# KiCad board LV Carrier Board.kicad_pcb
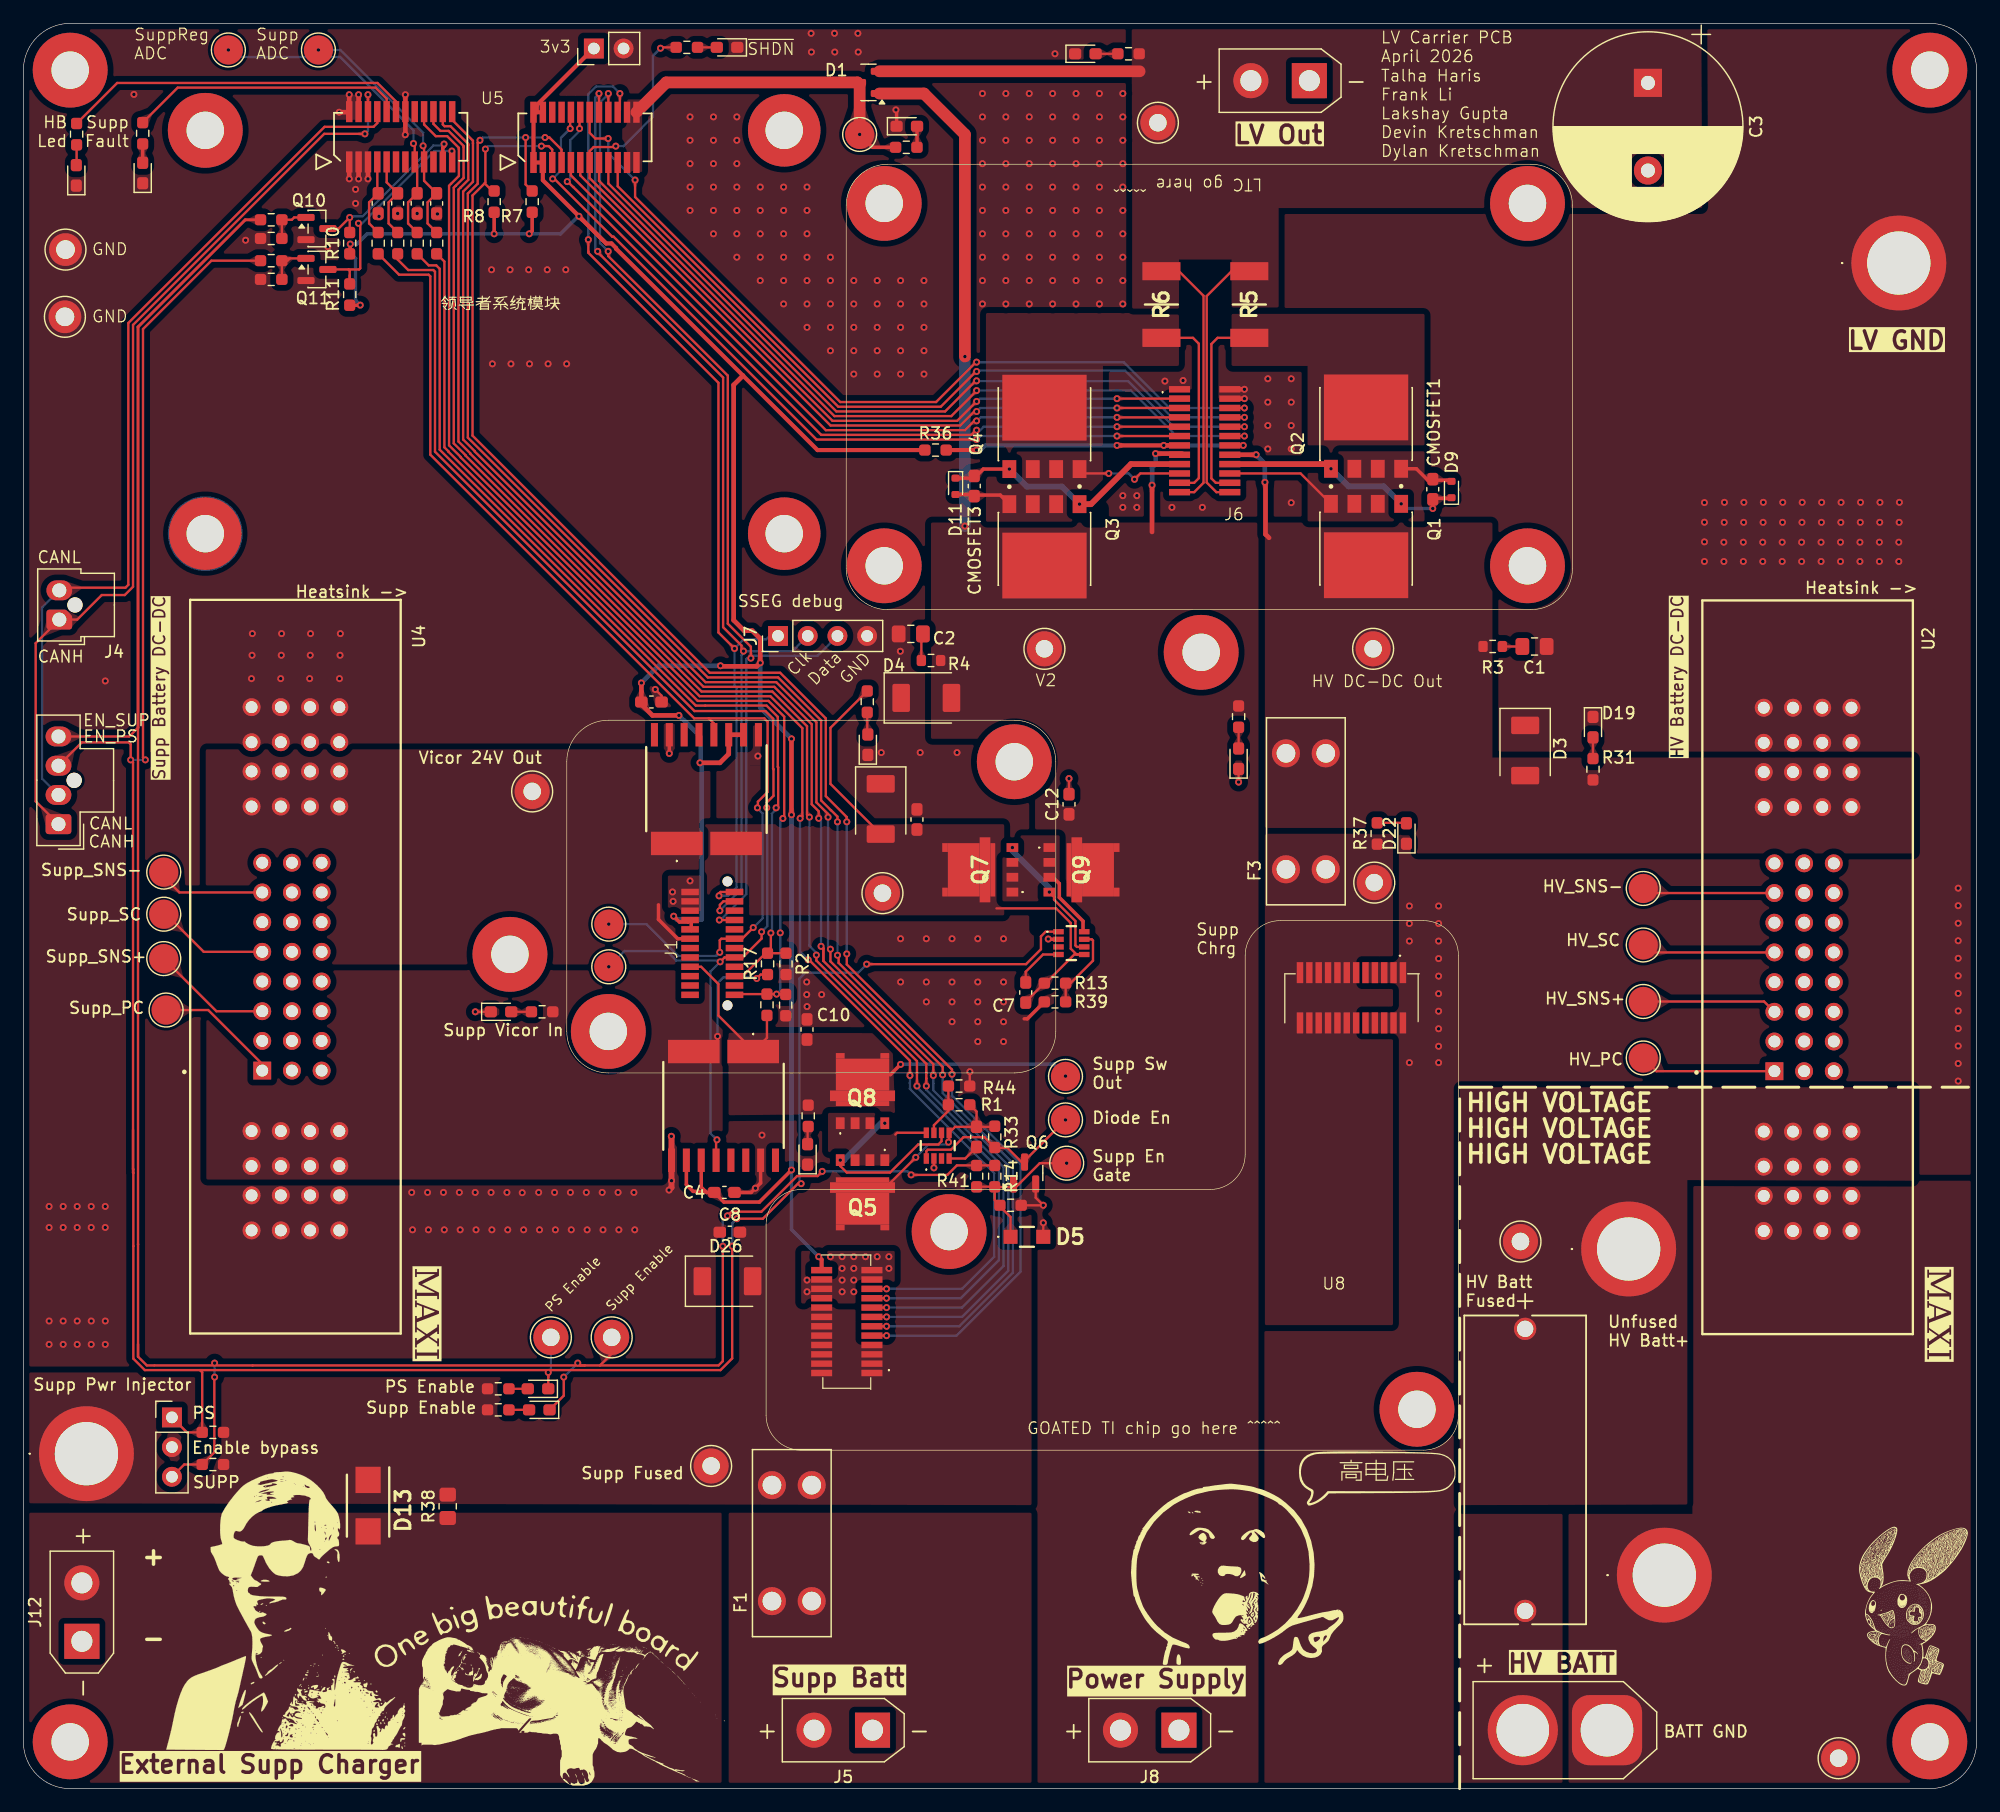
[diagram p0: board, top side]
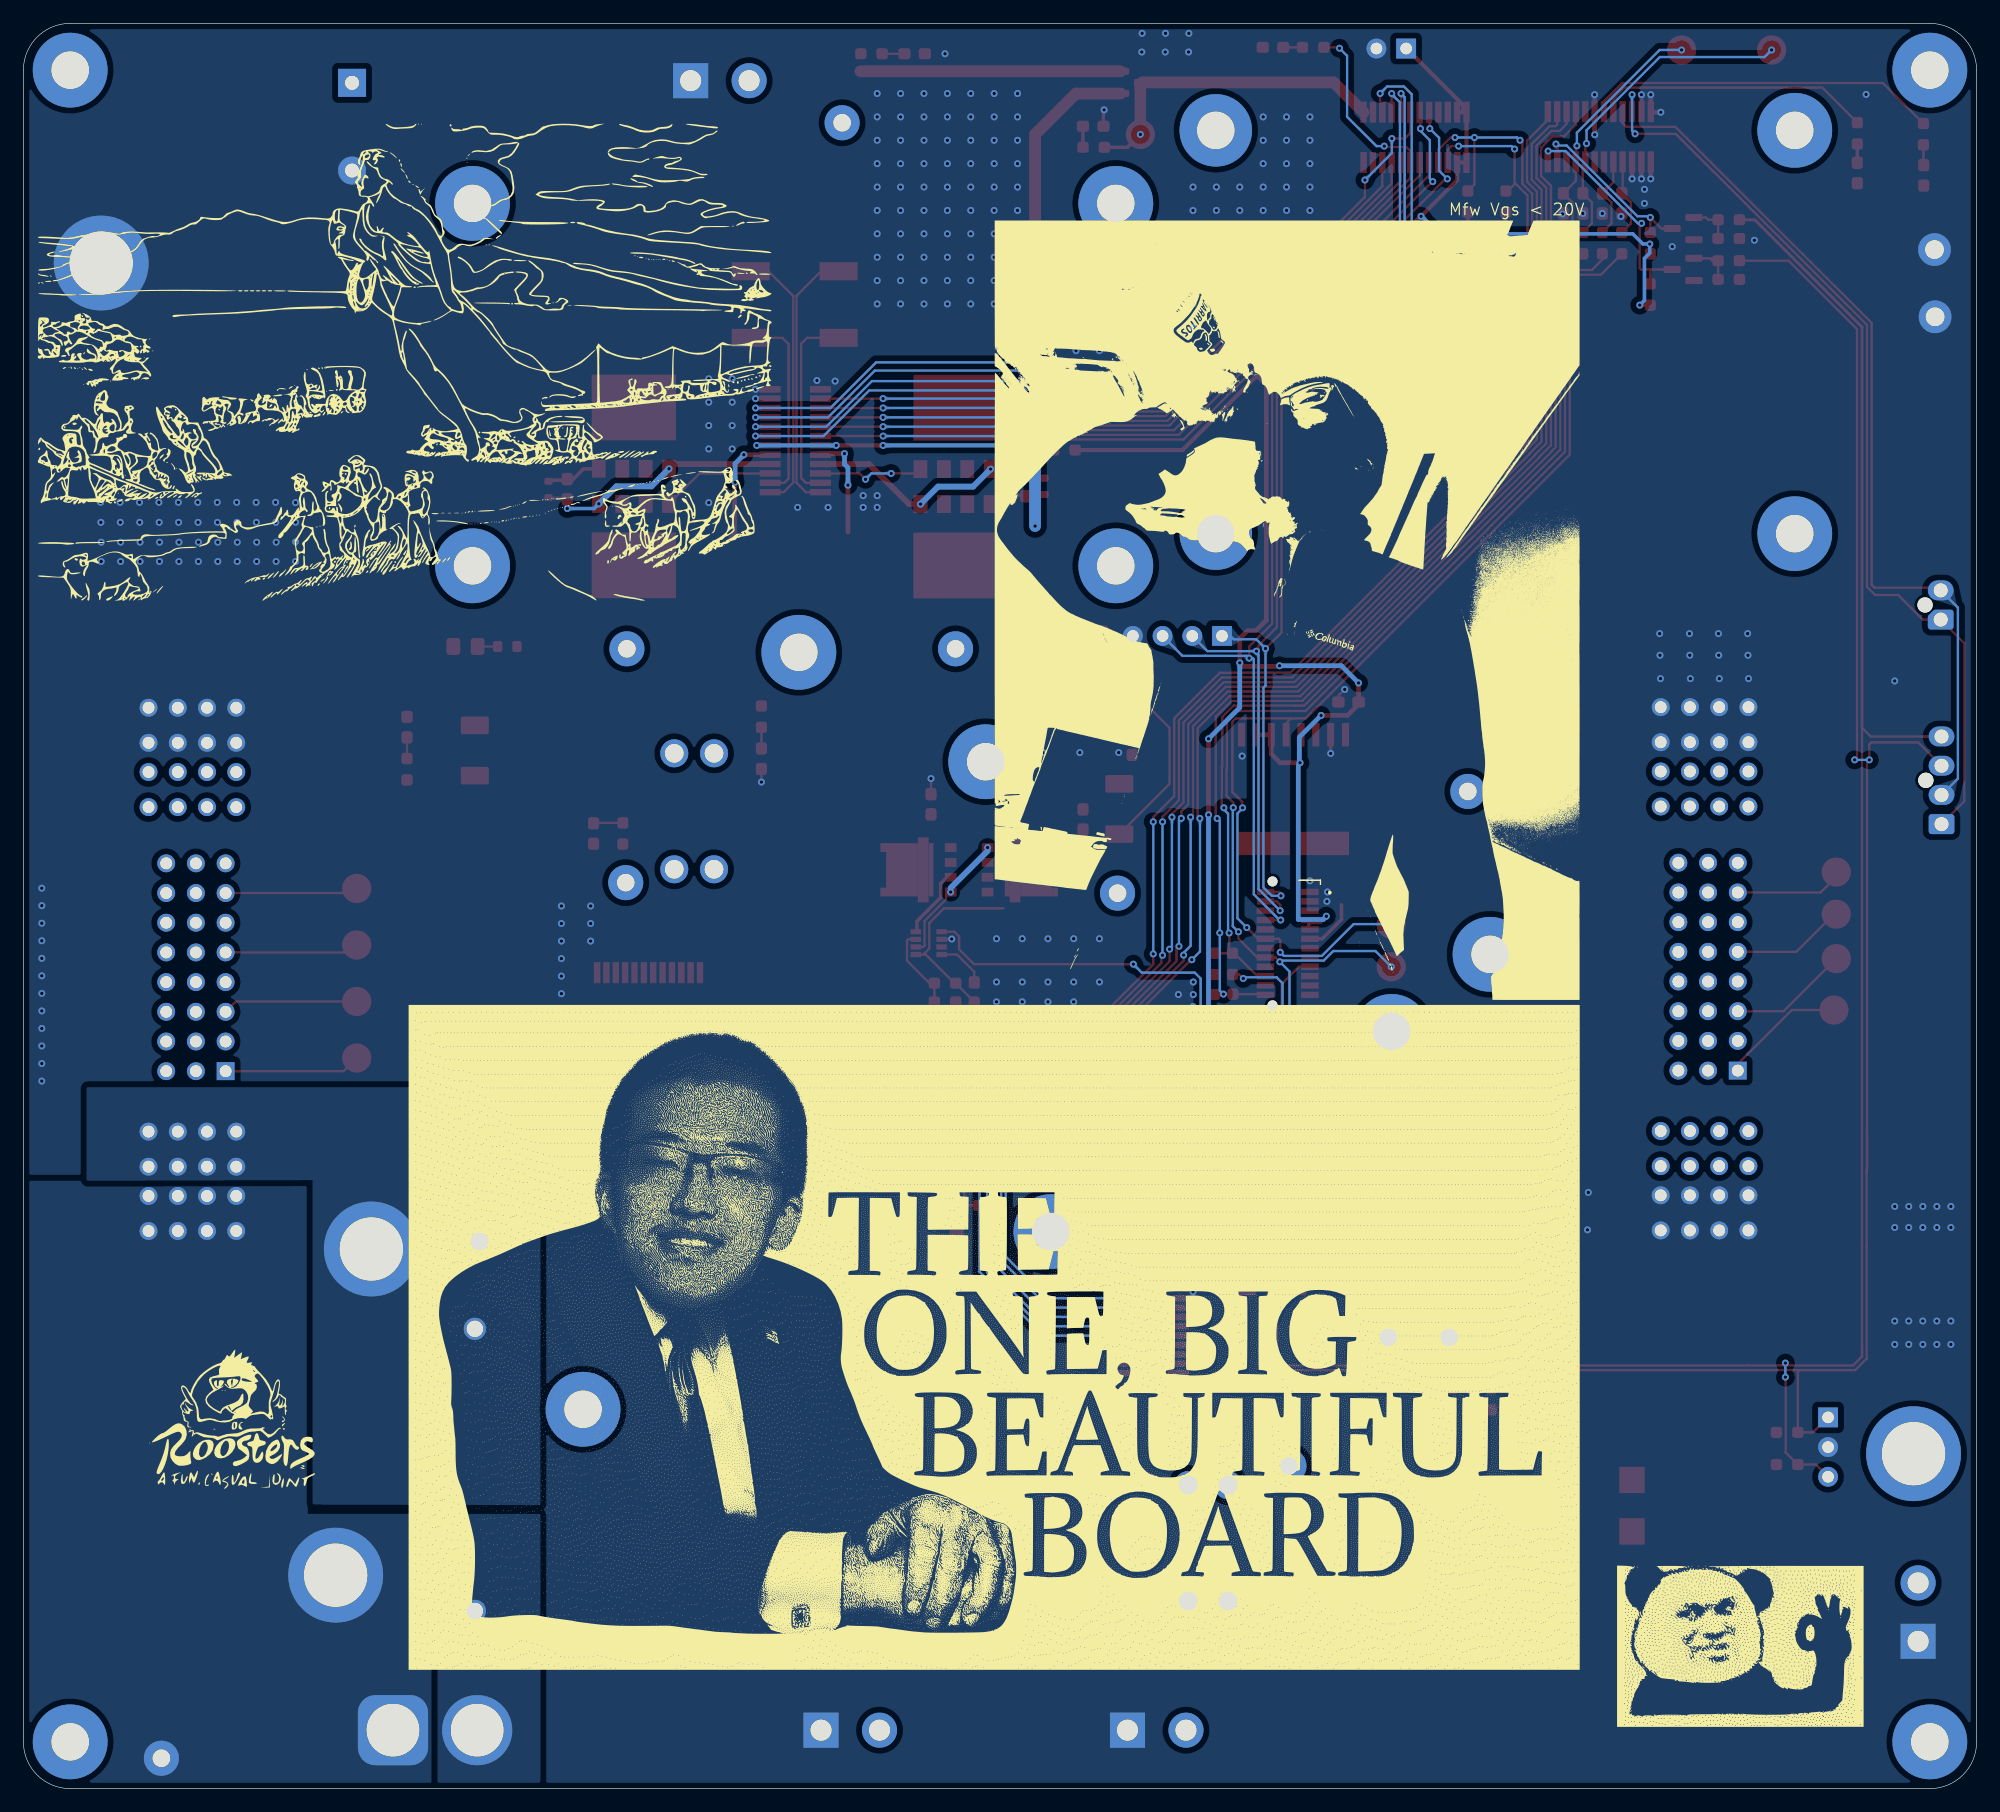
[diagram p1: board, bottom side, seen from below]

Outline 167 x 151 mm; copper layers: Top, Bottom. Coordinates in mm from the lower left corner of the outline.
Outline path: 0,147 arc(1.17,149.83) 4,151 163,151 arc(165.83,149.83) 167,147 167,4 arc(165.83,1.17) 163,0 4,0 arc(1.17,1.17) 0,4 0,147

## Placement (name value [footprint] x y rotation side)
C1  10u  [C_0805_2012Metric_Pad1.18x1.45mm_HandSolder]  129.2 97.7 0 top
C2  10u  [C_0805_2012Metric_Pad1.18x1.45mm_HandSolder]  75.88 98.78 180 top
C3  1.5mF  [CP_Radial_D16.0mm_P7.50mm]  138.9 145.91 270 top
C4  0.1 uF  [C_0603_1608Metric_Pad1.08x0.95mm_HandSolder]  59.94 51 0 top
C5  0.1 uF  [C_0603_1608Metric_Pad1.08x0.95mm_HandSolder]  53.7 92.95 0 top
C6  0.1 uF  [C_0603_1608Metric_Pad1.08x0.95mm_HandSolder]  81.5 55.75 270 top
C7  0.1 uF  [C_0603_1608Metric_Pad1.08x0.95mm_HandSolder]  85.7 68.1 90 top
C8  1 uF  [C_0603_1608Metric_Pad1.08x0.95mm_HandSolder]  60.4 47.6 180 top
C9  1 uF  [C_0603_1608Metric_Pad1.08x0.95mm_HandSolder]  76.4 82.9 90 top
C10  1 uF  [C_0603_1608Metric_Pad1.08x0.95mm_HandSolder]  67 64.94 90 top
C11  47nF  [C_0603_1608Metric_Pad1.08x0.95mm_HandSolder]  30.33 135.6 270 top
C12  1 uF  [C_0603_1608Metric_Pad1.08x0.95mm_HandSolder]  89.4 84.2 90 top
C13  47nF  [C_0603_1608Metric_Pad1.08x0.95mm_HandSolder]  32 135.6 270 top
C14  47nF  [C_0603_1608Metric_Pad1.08x0.95mm_HandSolder]  33.67 135.6 270 top
C15  47nF  [C_0603_1608Metric_Pad1.08x0.95mm_HandSolder]  35.33 135.6 270 top
CMOSFET1  47nF  [C_0603_1608Metric_Pad1.08x0.95mm_HandSolder]  120.5 111.15 90 top
CMOSFET3  47nF  [C_0603_1608Metric_Pad1.08x0.95mm_HandSolder]  81.3 111.42 270 top
D1  D_Schottky_Dual_CommonCathode_AAK_Parallel  [SOT-23]  72.25 145.95 180 top
D2  LED  [LED_0603_1608Metric_Pad1.05x0.95mm_HandSolder]  44.11 32.4 180 top
D3  SMBJ33D  [SMBJ15DM3]  128.4 90.95 270 top
D4  SMBJ33D  [SMBJ15DM3]  75.05 93.3 0 top
D5  HPZR-C3V0-QX  [HPZRC3V0QX]  85.8 47.2 0 top
D6  LED  [LED_0603_1608Metric_Pad1.05x0.95mm_HandSolder]  4.52 138 90 top
D7  LED  [LED_0603_1608Metric_Pad1.05x0.95mm_HandSolder]  44 34.2 180 top
D8  24V  [LED_0603_1608Metric_Pad1.05x0.95mm_HandSolder]  90.8 148.4 0 top
D9  D_Zener  [D_SOD-523]  122.1 111.12 90 top
D10  24V  [LED_0603_1608Metric_Pad1.05x0.95mm_HandSolder]  75.53 142.2 0 top
D11  D_Zener  [D_SOD-523]  79.7 111.4 270 top
D12  LED  [LED_0603_1608Metric_Pad1.05x0.95mm_HandSolder]  10.2 138.2 90 top
D13  D_Schottky  [B340BQ-13-F]  29.47 24.21 270 top  (not fitted)
D14  24V  [LED_0603_1608Metric_Pad1.05x0.95mm_HandSolder]  72.2 89.3 90 top
D15  24V  [LED_0603_1608Metric_Pad1.05x0.95mm_HandSolder]  40.84 66.45 0 top
D16  24V  [LED_0603_1608Metric_Pad1.05x0.95mm_HandSolder]  67.05 54.25 90 top
D17  SHND_LED  [LED_0603_1608Metric_Pad1.05x0.95mm_HandSolder]  60.16 148.95 180 top
D19  24V  [LED_0603_1608Metric_Pad1.05x0.95mm_HandSolder]  134.2 90.8 270 top
D20  24V  [LED_0603_1608Metric_Pad1.05x0.95mm_HandSolder]  103.9 88.1 90 top
D22  24V  [LED_0603_1608Metric_Pad1.05x0.95mm_HandSolder]  118.25 81.7 90 top
D26  SMBJ33D  [SMBJ15DM3]  58.05 43.4 0 top
D27  SMBJ33D  [SMBJ15DM3]  73.3 85.95 270 top
F1  20A  [FUSE_3568]  65.7 21 90 top
F2  5A  [FUSE_05200101Z_LTF]  128.4 39.33 270 top
F3  5A  [FUSE_3568]  109.65 83.6 90 top
G***  -  [LOGO]  43.73 1 0 top
G***#2  -  [LOGO]  115.78 26.53 0 top
G***#3  -  [LOGO]  41.26 9.15 0 top
G***#4  LOGO  [plusle]  161.6 15.6 0 top
G***#5  -  [LOGO]  104.1 20.4 0 top
G***#6  -  [LOGO]  20.2 12.18 180 bottom
G***#7  LOGO  [roosters]  149.2 31.6 180 bottom
G***#8  -  [LOGO]  58.95 100.8 180 bottom
G***#9  -  [LOGO]  84 38.6 180 bottom
G***#10  -  [LOGO]  134.57 121.51 180 bottom
H1  MountingHole_Pad  [MountingHole_3.2mm_M3_Pad_TopBottom]  4 147 0 top
H2  MountingHole_Pad  [MountingHole_3.2mm_M3_Pad_TopBottom]  163 147 0 top
H3  MountingHole_Pad  [MountingHole_3.2mm_M3_Pad_TopBottom]  163 4 0 top
H4  MountingHole_Pad  [MountingHole_3.2mm_M3_Pad_TopBottom]  4 4 0 top
H5  MountingHole_Pad  [MountingHole_3.2mm_M3_Pad_TopBottom]  100.7 97.2 0 top
H6  MountingHole_Pad  [MountingHole_3.2mm_M3_Pad_TopBottom]  41.6 71.36 0 top
IC1  AP74502HQTA8-7  [AP74502HQTA87]  78.17 55 0 top
IC2  AP74502HQTA8-7  [AP74502HQTA87]  89.6 72.33 270 top
IC3  -  [TMCS1126C4AQDVGR]  58.4 85.5 90 top
IC4  -  [TMCS1126C4AQDVGR]  59.86 58.4 270 top
J1  53307-2471  [SuppMon]  62.15 75.9 0 top
J2  Conn_01x04  [Molex_Nano-Fit_105309-xx04_1x04_P2.50mm_Vertical]  3.26 85.57 180 top
J3  Conn_01x02  [AMASS_XT60-M_1x02_P7.20mm_Vertical]  135.4 5 180 top
J4  CarCANConnector  [Molex_Nano-Fit_105309-xx02_1x02_P2.50mm_Vertical]  3.07 100 180 top
J5  Conn_01x02  [AMASS_XT30UPB-M_1x02_P5.0mm_Vertical]  72.6 5 180 top
J6  53307-2471  [LVMux]  101.15 115.2 180 top
J7  Conn_01x04  [PinHeader_1x04_P2.54mm_Vertical]  64.52 98.6 90 top
J8  Conn_01x02  [AMASS_XT30UPB-M_1x02_P5.0mm_Vertical]  98.8 5 180 top
J9  Conn_01x02  [AMASS_XT30UPB-M_1x02_P5.0mm_Vertical]  109.95 146.1 180 top
J11  GND-TP  [5754]  160.35 130.5 0 top
J12  Conn_01x02  [AMASS_XT30UPB-M_1x02_P5.0mm_Vertical]  5 12.6 90 top
J13  Conn_01x03  [PinHeader_1x03_P2.54mm_Vertical]  12.7 31.75 0 top  (not fitted)
J14  BATV-Inject  [5754]  137.25 46.16 0 top
J15  BATTGND-TP  [5754]  140.3 18.26 0 top
J16  SUPP-Inject  [5754]  5.39 28.65 0 top
J17  3v3_Inject  [PinHeader_1x02_P2.54mm_Vertical]  48.77 148.85 90 top  (not fitted)
LOGO1  Dr. Hallock  [Hallock_Image_Small]  21.6 15.53 0 top
LOGO2  LHRs Logo  [LHRs_LOGO]  36.12 149.2 0 top
Q1  -  [SQJQ140E-T1_GE3]  114.8 106.25 270 top
Q2  -  [SQJQ140E-T1_GE3]  114.8 116.55 90 top
Q3  -  [SQJQ140E-T1_GE3]  87.3 106.22 270 top
Q4  -  [SQJQ140E-T1_GE3]  87.3 116.53 90 top
Q5  NVMFWS1D7N04XMT1G  [NVMFWS3D0P04M8LT1G]  71.75 51.01 180 top
Q6  IRLML0030  [SOT-23]  85.6 52.66 90 top
Q7  NVMFWS1D7N04XMT1G  [NVMFWS3D0P04M8LT1G]  81.81 78.59 90 top
Q8  NVMFWS1D7N04XMT1G  [NVMFWS3D0P04M8LT1G]  71.75 59.67 0 top
Q9  NVMFWS1D7N04XMT1G  [NVMFWS3D0P04M8LT1G]  90.47 78.59 270 top
Q10  IRLML0030  [SOT-23]  25.1 133.45 0 top
Q11  IRLML0030  [SOT-23]  25.1 129.95 0 top
R1  255k  [R_0603_1608Metric_Pad0.98x0.95mm_HandSolder]  80 58.5 180 top
R2  1k  [R_0603_1608Metric_Pad0.98x0.95mm_HandSolder]  65.2 70.55 270 top
R3  1.2  [R_0603_1608Metric]  125.62 97.7 0 top
R4  1.2  [R_0603_1608Metric]  77.6 96.5 180 top
R5  1.3m  [WSLF25121L300FEA]  104.82 126.95 90 top
R6  1.3m  [WSLF25121L300FEA]  97.3 126.95 90 top
R7  10k  [R_0603_1608Metric_Pad0.98x0.95mm_HandSolder]  43.5 135.75 90 top
R8  10k  [R_0603_1608Metric_Pad0.98x0.95mm_HandSolder]  40.25 135.75 90 top
R9  4.7k  [R_0603_1608Metric_Pad0.98x0.95mm_HandSolder]  33.67 132.2 90 top
R10  10k  [R_0603_1608Metric_Pad0.98x0.95mm_HandSolder]  27.9 132.2 90 top
R11  10k  [R_0603_1608Metric_Pad0.98x0.95mm_HandSolder]  27.9 127.8 90 top
R12  1k  [R_0603_1608Metric_Pad0.98x0.95mm_HandSolder]  4.55 141.53 270 top
R13  198k  [R_0603_1608Metric_Pad0.98x0.95mm_HandSolder]  88.2 68.9 0 top
R14  10k  [R_0603_1608Metric_Pad0.98x0.95mm_HandSolder]  83.05 52.39 270 top  (not fitted)
R15  10k  [R_0603_1608Metric_Pad0.98x0.95mm_HandSolder]  84.4 49.9 0 top  (not fitted)
R16  4.3k  [R_0603_1608Metric_Pad0.98x0.95mm_HandSolder]  40.6 32.4 0 top  (not fitted)
R17  10k  [R_0603_1608Metric_Pad0.98x0.95mm_HandSolder]  63.62 70.55 90 top
R18  1k  [R_0603_1608Metric_Pad0.98x0.95mm_HandSolder]  10.2 141.6 270 top
R19  4.3k  [R_0603_1608Metric_Pad0.98x0.95mm_HandSolder]  40.6 34.2 0 top  (not fitted)
R20  10k  [R_0603_1608Metric_Pad0.98x0.95mm_HandSolder]  63.58 67.05 90 top
R21  10k  [R_0603_1608Metric_Pad0.98x0.95mm_HandSolder]  21.19 134.2 0 top
R22  10k  [R_0603_1608Metric_Pad0.98x0.95mm_HandSolder]  21.19 132.6 180 top
R23  10k  [R_0603_1608Metric_Pad0.98x0.95mm_HandSolder]  21.19 130.7 0 top
R24  10k  [R_0603_1608Metric_Pad0.98x0.95mm_HandSolder]  21.19 129.1 180 top
R25  4.3k  [R_0603_1608Metric_Pad0.98x0.95mm_HandSolder]  94.49 148.4 180 top
R26  4.3k  [R_0603_1608Metric_Pad0.98x0.95mm_HandSolder]  75.49 140.4 0 top
R27  4.3k  [R_0603_1608Metric_Pad0.98x0.95mm_HandSolder]  72.15 92.97 270 top
R28  4.3k  [R_0603_1608Metric_Pad0.98x0.95mm_HandSolder]  44.35 66.45 180 top
R29  4.3k  [R_0603_1608Metric_Pad0.98x0.95mm_HandSolder]  67.1 57.55 270 top
R30  1k  [R_0603_1608Metric_Pad0.98x0.95mm_HandSolder]  56.72 148.95 0 top
R31  4.3k  [R_0603_1608Metric_Pad0.98x0.95mm_HandSolder]  134.2 87.2 90 top
R32  4.3k  [R_0603_1608Metric_Pad0.98x0.95mm_HandSolder]  103.9 91.7 270 top
R33  100k  [R_0603_1608Metric_Pad0.98x0.95mm_HandSolder]  83.05 55.75 270 top
R35  4.7k  [R_0603_1608Metric_Pad0.98x0.95mm_HandSolder]  30.33 132.2 90 top
R36  0  [R_0603_1608Metric_Pad0.98x0.95mm_HandSolder]  77.99 114.5 0 top
R37  4.3k  [R_0603_1608Metric_Pad0.98x0.95mm_HandSolder]  115.75 81.7 90 top
R38  0  [R_0805_2012Metric_Pad1.20x1.40mm_HandSolder]  36.28 24.15 90 top
R39  10k  [R_0603_1608Metric_Pad0.98x0.95mm_HandSolder]  88.2 67.3 180 top
R40  4.7k  [R_0603_1608Metric_Pad0.98x0.95mm_HandSolder]  32 132.2 90 top
R41  1k  [R_0603_1608Metric_Pad0.98x0.95mm_HandSolder]  81.5 52.39 270 top
R42  100k  [R_0603_1608Metric_Pad0.98x0.95mm_HandSolder]  16.2 27.72 180 top
R43  100k  [R_0603_1608Metric_Pad0.98x0.95mm_HandSolder]  16.2 30.47 180 top
R44  10k  [R_0603_1608Metric_Pad0.98x0.95mm_HandSolder]  80 60.1 0 top
R45  4.7k  [R_0603_1608Metric_Pad0.98x0.95mm_HandSolder]  35.33 132.2 90 top
R46  1k  [R_0603_1608Metric_Pad0.98x0.95mm_HandSolder]  65.17 67.03 270 top
TP1  TestPoint  [TestPoint_Pad_D2.5mm]  12.2 66.6 0 top
TP2  TestPoint  [TestPoint_Pad_D2.5mm]  12 74.8 0 top
TP3  TestPoint  [TestPoint_Pad_D2.5mm]  12 71 0 top
TP4  TestPoint  [TestPoint_Pad_D2.5mm]  138.5 62.5 0 top
TP5  TestPoint  [TestPoint_Pad_D2.5mm]  138.5 72.17 0 top
TP6  TestPoint  [TestPoint_Pad_D2.5mm]  138.5 67.33 0 top
TP7  TestPoint  [TestPoint_Pad_D2.5mm]  89.2 53.5 0 top
TP8  TestPoint  [TestPoint_Pad_D2.5mm]  89.1 57.2 0 top
TP9  TestPoint  [TestPoint_THTPad_D3.0mm_Drill1.5mm]  115.5 77.5 0 top
TP10  TestPoint  [TestPoint_Pad_D2.5mm]  71.5 141.5 0 top
TP11  TestPoint  [TestPoint_THTPad_D3.0mm_Drill1.5mm]  73.45 76.6 0 top
TP12  TestPoint  [TestPoint_Pad_D2.5mm]  12 78.4 0 top
TP13  TestPoint  [TestPoint_Pad_D2.5mm]  138.5 77 0 top
TP14  TestPoint  [TestPoint_THTPad_D3.0mm_Drill1.5mm]  97 142.5 0 top
TP15  TestPoint  [TestPoint_THTPad_D3.0mm_Drill1.5mm]  155.2 2.6 0 top
TP16  TestPoint  [TestPoint_Pad_D2.5mm]  50.05 70.3 0 top
TP17  TestPoint  [TestPoint_THTPad_D3.0mm_Drill1.5mm]  128 46.8 0 top
TP18  TestPoint  [TestPoint_THTPad_D3.0mm_Drill1.5mm]  87.3 97.5 0 top
TP19  TestPoint  [TestPoint_THTPad_D3.0mm_Drill1.5mm]  43.5 85.3 0 top
TP20  TestPoint  [TestPoint_Keystone_5005-5009_Compact]  3.6 131.65 0 top  (not fitted)
TP21  TestPoint  [TestPoint_THTPad_D3.0mm_Drill1.5mm]  58.8 27.6 0 top
TP22  TestPoint  [TestPoint_THTPad_D3.0mm_Drill1.5mm]  115.4 97.5 0 top
TP23  TestPoint  [TestPoint_Keystone_5005-5009_Compact]  3.55 125.9 0 top  (not fitted)
TP24  TestPoint  [TestPoint_Pad_D2.5mm]  25.23 148.72 0 top
TP25  TestPoint  [TestPoint_THTPad_D3.0mm_Drill1.5mm]  50.3 38.6 0 top
TP26  TestPoint  [TestPoint_THTPad_D3.0mm_Drill1.5mm]  45.1 38.6 0 top
TP27  TestPoint  [TestPoint_Pad_D2.5mm]  50.05 73.95 0 top
TP28  TestPoint  [TestPoint_Pad_D2.5mm]  89.1 60.92 0 top
TP29  TestPoint  [TestPoint_Pad_D2.5mm]  17.52 148.72 0 top
U2  DCDC  [Maxi_Carrier_Connector]  152.55 70.26 270 top
U4  ~  [Maxi_Carrier_Connector]  23.26 70.31 270 top
U5  -  [LeaderSOM]  40.14 147.3 0 top
U8  Supp Charger  [SuppCharger]  112.25 40.4 0 top

## Library data of the parts
C1 C2 = -: Description: Unpolarized capacitor; P/N: GRM21BR61H106KE43K; Assemble: Y; LSCS P/N: C440198; ki_fp_filters: C_*
C3 = -: Description: Unpolarized capacitor; P/N: MAL217051152E3; Assemble: N; ki_fp_filters: C_*
C4 C5 C7 = -: Description: Unpolarized capacitor; P/N: MLASH168SB7104KTNA01; Assemble: Y; LSCS P/N: C14663; ki_fp_filters: C_*
C6 = -: Description: Unpolarized capacitor; P/N: MLASH168SB7104KTNA01; Assemble: Y; LSCS P/N: C14663; LCSC: C31658; ki_fp_filters: C_*
C8-C10 C12 = -: Description: Unpolarized capacitor; P/N: MLASU168SB5105KTNA01; Assemble: Y; LSCS P/N: C15849; ki_fp_filters: C_*
C11 C13-C15 = -: Datasheet: https://www.mouser.com/ProductDetail/TAIYO-YUDEN/MSASU105SB5473KFNA01?qs=tlsG%2FOw5FFg6GGyCkMKLxw%3D%3D&srsltid=AfmBOooAMNVOg5cxuAvzZq0XU9_FlUD21Pg-hkrVxcAvY4Q3FihtJRTW; Description: Unpolarized capacitor; P/N: MSASU105SB5473KFNA01; LSCC P/N: C1622; Assemble: Y; LSCS P/N: C1622; LCSC: C1622; ki_fp_filters: C_*
CMOSFET1 CMOSFET3 = -: Description: Unpolarized capacitor; P/N: MSASU105SB5473KFNA01; Assemble: Y; LSCS P/N: C1622; ki_fp_filters: C_*
D1 = -: Description: Dual Schottky diode, common cathode on pin 3; P/N: BAT400D-7-F; Assemble: Y; LSCS P/N: C53340703; LCSC P/N: C53340703
D2 D7 D8 D10 D14-D16 D19 D20 D22 = -: Description: Light emitting diode; Sim.Pins: 1=K 2=A; P/N: XL-1608UBC-06A; Assemble: Y; LSCS P/N: C7371904; ki_fp_filters: LED* LED_SMD:* LED_THT:*
D3 D4 D26 D27 = -: Datasheet: https://www.vishay.com/docs/87606/smbj5cdthrusmbj120cd.pdf; Description: Bidirectional TVS Diode; P/N: SMBJ15D-M3/I; LSCC P/N: C78419; Assemble: Y; LSCS P/N: C78419; LCSC: C78419
D5 = -: Datasheet: https://www.mouser.com/ProductDetail/Nexperia/HPZR-C3V0-QX?qs=ZcfC38r4PotezQdyWez34A%3D%3D; Description: Zener diode; LCSC: C2856868; ki_fp_filters: TO-???* *_Diode_* *SingleDiode* D_*
D6 D12 = -: Description: Light emitting diode; P/N: XL-1608UBC-06A; Sim.Pins: 1=K 2=A; Assemble: Y; LSCS P/N: C7371904; ki_fp_filters: LED* LED_SMD:* LED_THT:*
D9 D11 = -: Description: Zener diode; P/N: DDZ9703T-7; Assemble: Y; LSCS P/N: C5244736; LCSC: C5244736; ki_fp_filters: TO-???* *_Diode_* *SingleDiode* D_*
D13 = -: Description: Schottky diode; P/N: B340BQ-13-F; ki_fp_filters: TO-???* *_Diode_* *SingleDiode* D_*
D17 = -: Description: Light emitting diode; P/N: XL-1608UBC-06A; Sim.Pins: 1=K 2=A; Assemble: Y; LSCS P/N: C7371904; LCSC: C7371904; ki_fp_filters: LED* LED_SMD:* LED_THT:*
F1 F3 = -: Description: Fuse; P/N: 3568; Mouser P/N: 534-3568; Digikey P/N: 36-3568-ND; Assemble: N; ki_fp_filters: *Fuse*
F2 = -: Description: Fuse; P/N: 05200101Z; Assemble: N; ki_fp_filters: *Fuse*
H1-H6 = -: Description: Mounting Hole with connection; Assemble: N; ki_fp_filters: MountingHole*Pad*
IC1 IC2 = -: Datasheet: https://www.diodes.com/datasheet/download/AP74502Q_AP74502HQ.pdf; Description: Power Switch ICs - Power Distribution Ideal Diode Controller SOT28 T&R 3K, 62 A,-40C ~ 125C; Height: 1.1; Manufacturer_Name: Diodes Incorporated; LSCC P/N: C48989247; Assemble: Y; LSCS P/N: C48989247
IC3 IC4 = -: Datasheet: kicad-embed://tmcs1126.pdf; Description: Board Mount Current Sensors 80ARMS 500kHz Hall-effect current sensor with AFR, reference and ALERT 10-SOIC -40 to 125; Height: 2.65; LSC P/N: C37878146; LSCS P/N: C37878146; LCSC P/N: C37878146
J1 J6 = -: Datasheet: https://www.mouser.com/ProductDetail/Molex/53307-2471?qs=3DzawVMofg%252Bx9c%2FNm7UacA%3D%3D&srsltid=AfmBOoo3FTqnn7XO26oYn_ClMzJiJKKwJ7tetIIyKygtiKxENiX6ckUY; Description: Board to Board & Mezzanine Connectors 0.8 BtB WaferAssy ST SMT 24Ckt EmbsTpPkg; Height: 3.85; Mouser Part Number: 538-53307-2471; Manufacturer_Name: Molex; Mouser Price/Stock: https://www.mouser.co.uk/ProductDetail/Molex/53307-2471?qs=3DzawVMofg%252Bx9c%2FNm7UacA%3D%3D; Assemble: N
J2 = -: Description: Generic connector, single row, 01x04, script generated (kicad-library-utils/schlib/autogen/connector/); P/N: 105309-1104; Assemble: N; ki_fp_filters: Connector*:*_1x??_*
J3 = -: Description: Generic connector, single row, 01x02, script generated (kicad-library-utils/schlib/autogen/connector/); P/N: PRT-10474; Assemble: N; ki_fp_filters: Connector*:*_1x??_*
J4 = -: Datasheet: https://www.digikey.com/en/products/detail/molex/1053091102/7693146; Description: Connector; P/N: 1053091102; Assemble: N
J5 J8 J9 J12 = -: Description: Generic connector, single row, 01x02, script generated (kicad-library-utils/schlib/autogen/connector/); P/N: FIT0586; Assemble: N; ki_fp_filters: Connector*:*_1x??_*
J7 = -: Description: Generic connector, single row, 01x04, script generated (kicad-library-utils/schlib/autogen/connector/); Assemble: N; ki_fp_filters: Connector*:*_1x??_*
J11 J14-J16 = -: Description: Generic connector, single row, 01x01, script generated (kicad-library-utils/schlib/autogen/connector/); P/N: 575-4; Mouser P/N: 534-575-4; Digikey P/N: 36-575-4-ND; Assemble: N; ki_fp_filters: Connector*:*_1x??_*
J13 = -: Description: Generic connector, single row, 01x03, script generated (kicad-library-utils/schlib/autogen/connector/); Assemble: N; ki_fp_filters: Connector*:*_1x??_*
J17 = -: Description: Generic connector, single row, 01x02, script generated (kicad-library-utils/schlib/autogen/connector/); ki_fp_filters: Connector*:*_1x??_*
LOGO1 LOGO2 = -: Description: Graph footprint placeholder; Assemble: N
Q1-Q4 = -: Datasheet: https://www.vishay.com/docs/77320/sqjq142e.pdf; Description: 460A Id, 40V Vds, N-Channel FET; MF: Vishay; MAXIMUM_PACKAGE_HEIGHT: 1.827mm; Package: PowerPAK®-8 Vishay; Price: None; Check_prices: https://www.snapeda.com/parts/SQJQ140E-T1_GE3/Vishay/view-part/?ref=eda; STANDARD: IPC7351B; PARTREV: 05-Aug-2019; SnapEDA_Link: https://www.snapeda.com/parts/SQJQ140E-T1_GE3/Vishay/view-part/?ref=snap; Purchase-URL: https://www.snapeda.com/api/url_track_click_mouser/?unipart_id=9348953&manufacturer=Vishay&part_name=SQJQ140E-T1_GE3&search_term=powerpak® 8 x 8; Description_1: N-Channel 40 V 701A (Tc) 600W (Tc) Surface Mount PowerPAK® 8 x 8; MANUFACTURER: Vishay; Availability: In Stock; Assemble: N
Q5 Q7-Q9 = -: Datasheet: https://www.onsemi.com/pub/Collateral/NVMFWS1D7N04XM-D.PDF; Description: Small Footprint (5x6 mm); Low RDS(on); Low QG and Capacitance; Wettable Flank Option; AECQ101 Qualified and PPAP Capable; RoHS Compliant; Height: 1.1; Manufacturer_Name: onsemi; LSCC P/N: C133142; Assemble: Y; LSCS P/N: C133142; LCSC: C133142
Q6 Q10 Q11 = -: Datasheet: https://www.infineon.com/dgdl/irlml0030pbf.pdf?fileId=5546d462533600a401535664773825df; Description: 5.3A Id, 30V Vds, 27mOhm Rds, N-Channel HEXFET Power MOSFET, SOT-23; LSCC P/N: C67272; Assemble: Y; LSCS P/N: C67272; LCSC: C67272; ki_fp_filters: SOT?23*
R1 = -: Description: Resistor; P/N: CRCW0603255KFKEA; Assemble: Y; LSCS P/N: C23354; ki_fp_filters: R_*
R2 R46 = -: Description: Resistor; P/N: CRCW06031K00FKEI; LCSC P/N: C21190; ki_fp_filters: R_*
R3 R4 = -: Description: Resistor; P/N: CRCW06031R20FKEA; Assemble: Y; LSCS P/N: C21389; ki_fp_filters: R_*